# Altium PCB HMI_Board.PcbDoc (part 1 of 3)
Units mm, origin at the board's own origin, x right, y up, seen from the top; angles counter-clockwise.
Board outline 105 x 63 mm, 4 copper layers (L1, L2, L3, L4), stack 1.586 mm thick; 135 components, 123 nets, 623 pads, 296 vias.
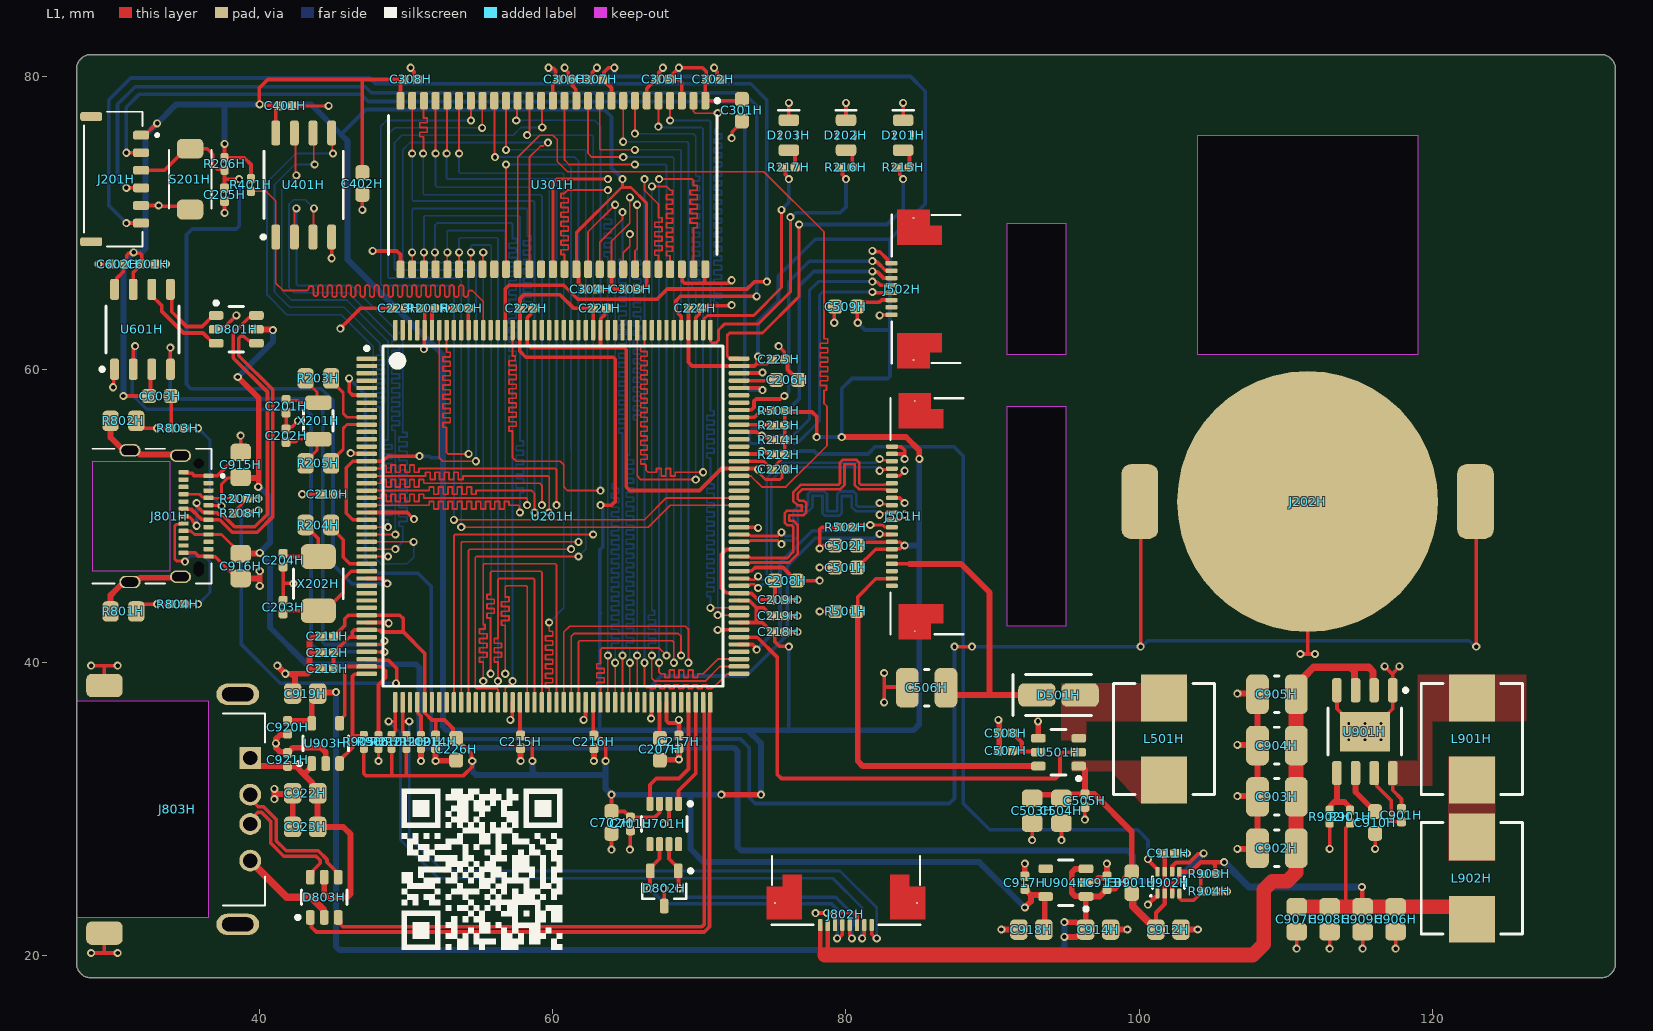
[diagram p0: L1 view]
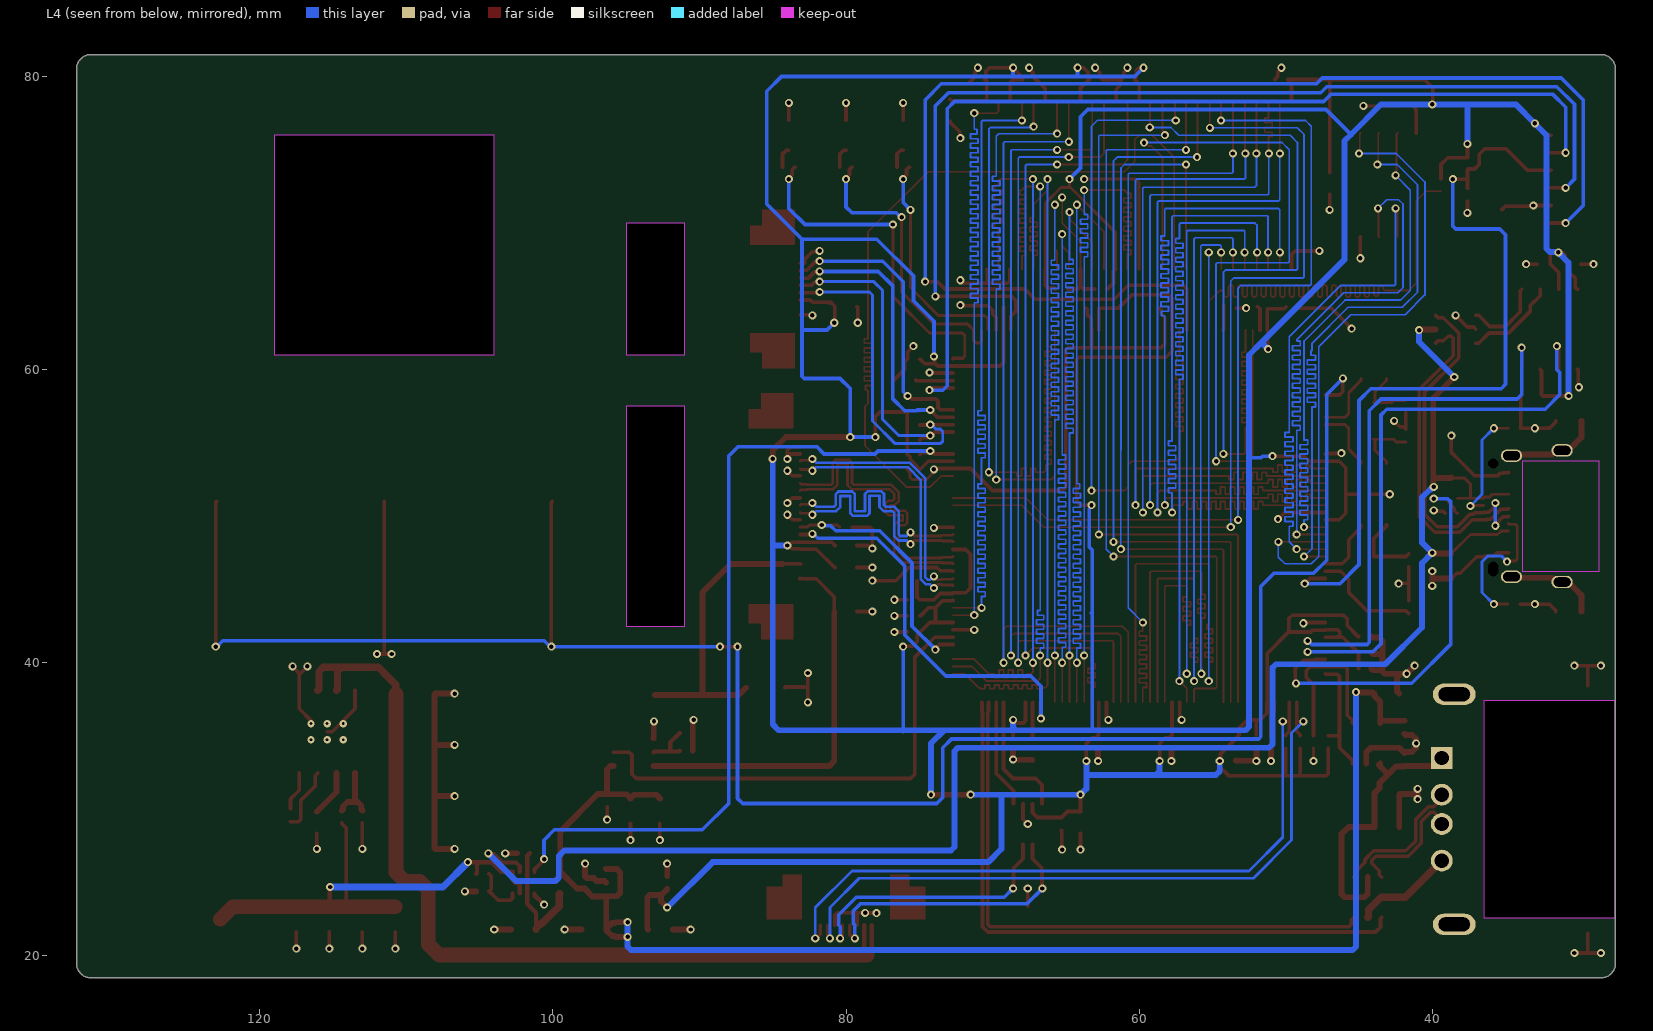
[diagram p1: L4 view, seen from below]
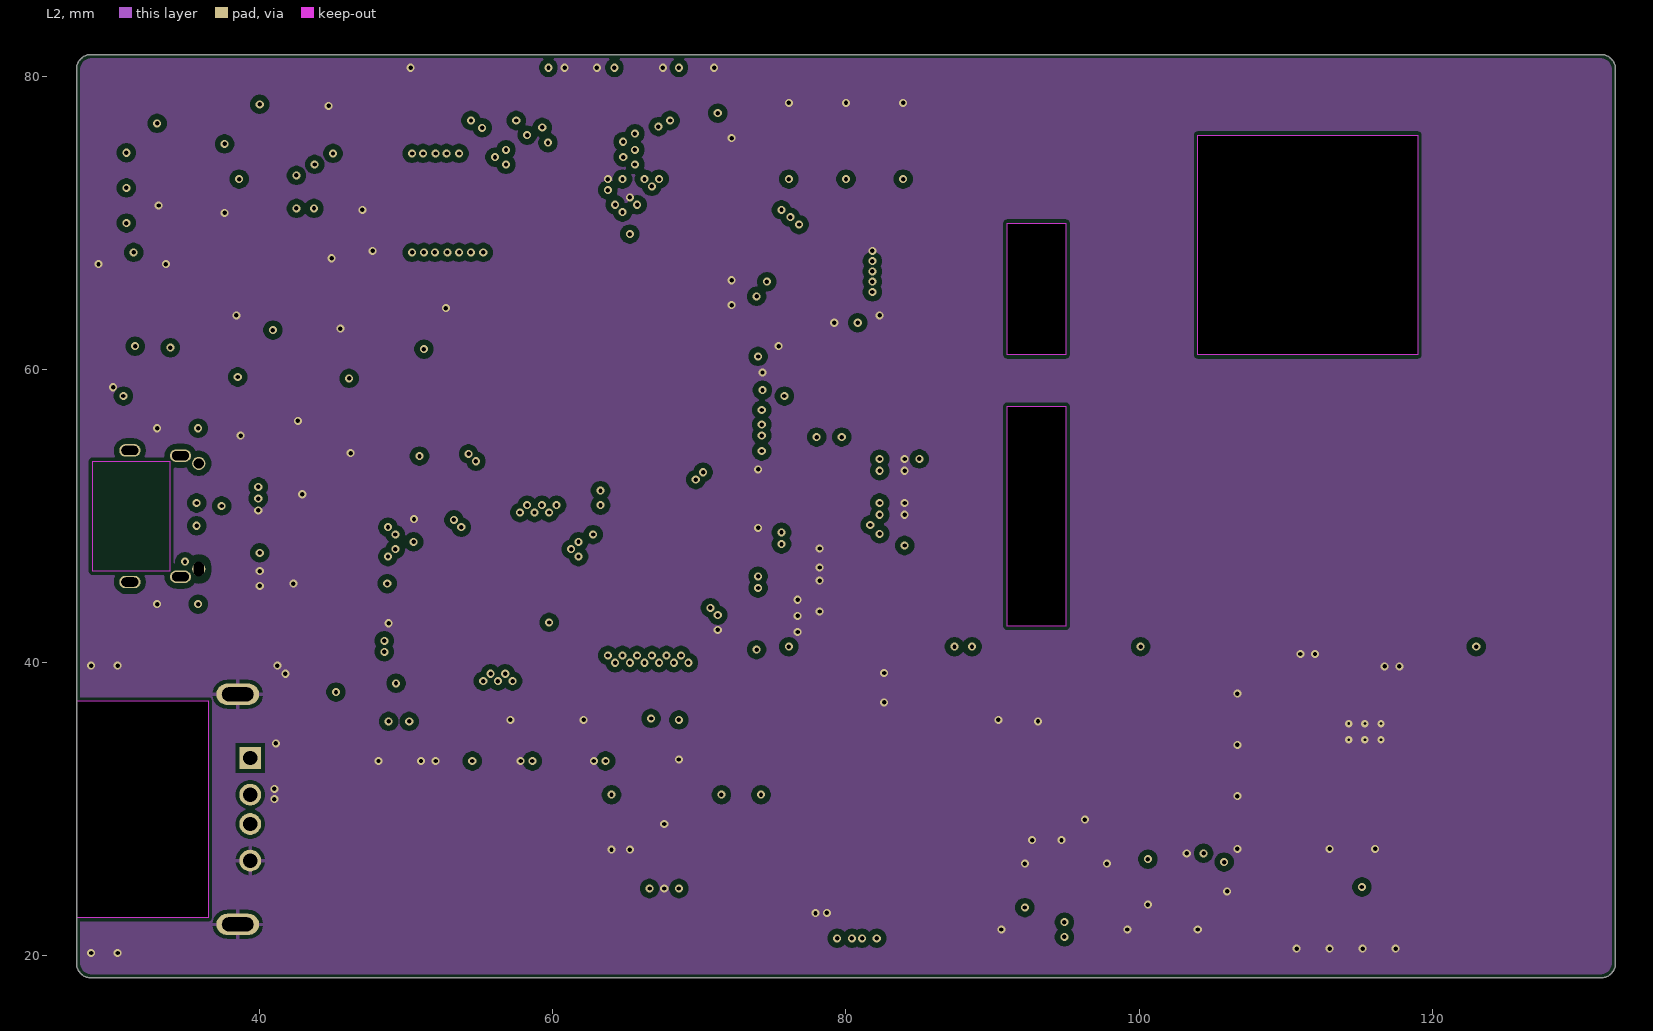
[diagram p2: L2]
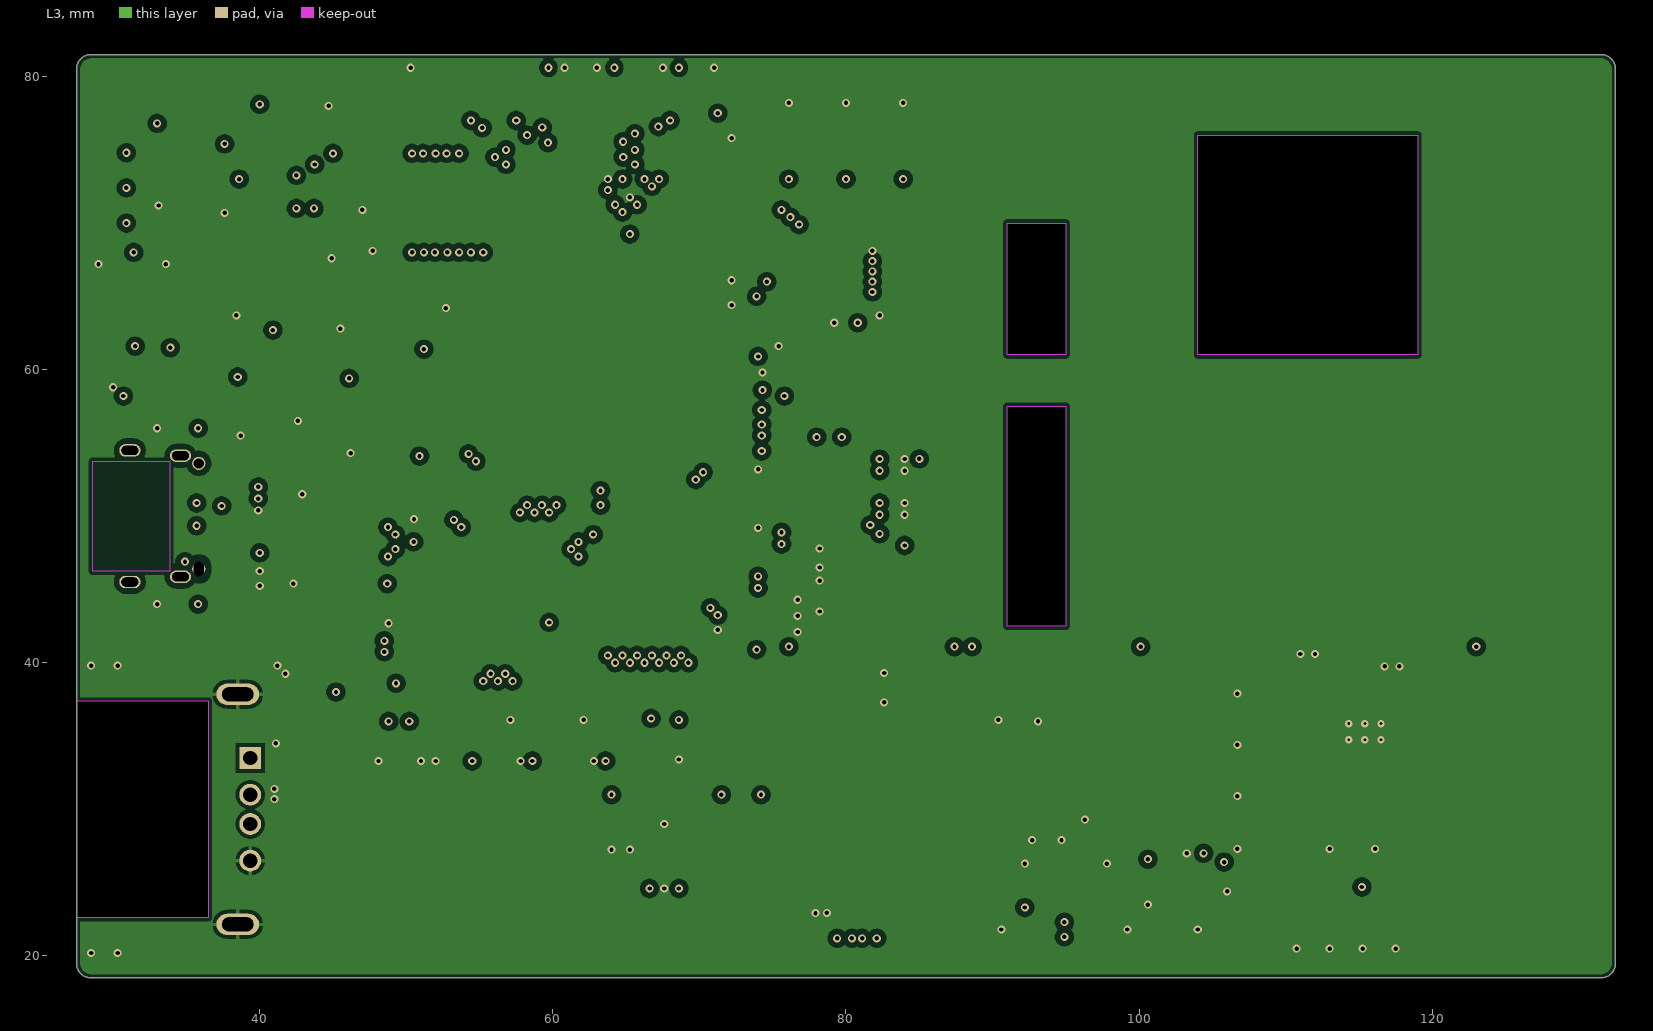
[diagram p3: L3]
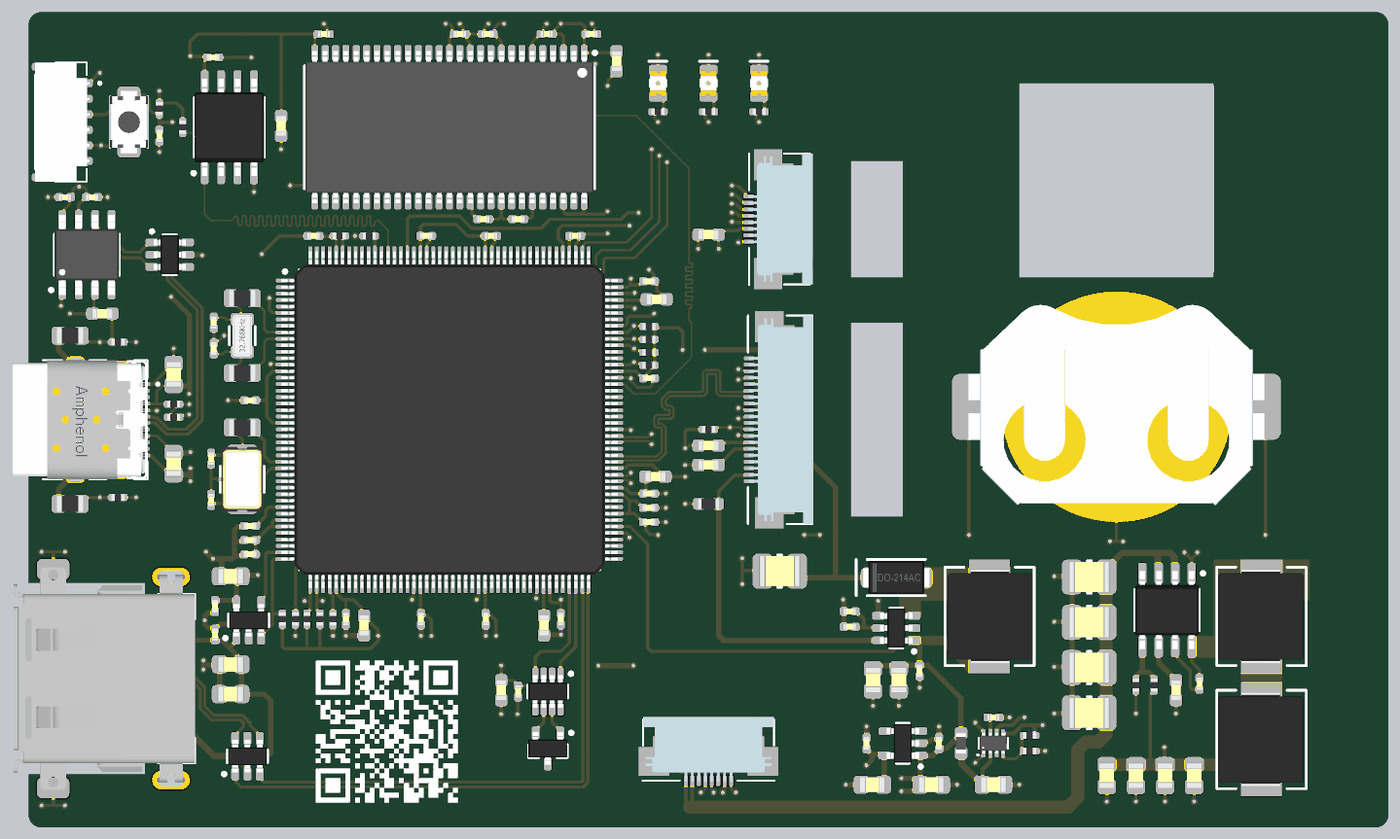
[diagram p6: 3D render of the assembled board from above, using the file's embedded part models]

## Layer stack, top to bottom
Top Solder: solder mask 0.0102, Solder Resist, Dk 3.5
L1: signal copper 0.035
Dielectric 2: prepreg 0.2104, PP-006, Dk 4.4
L2: signal copper 0.0152
Dielectric 1: core 1.065, Core-025, Dk 4.6
L3: signal copper 0.0152
Dielectric 3: prepreg 0.2104, PP-006, Dk 4.4
L4: signal copper 0.035
Bottom Solder: solder mask 0.0102, Solder Resist, Dk 3.5

## Board outline
27.5,19.5 27.5,80.5 cw(c28.5,80.5) 28.5,81.5 131.5,81.5 cw(c131.5,80.5) 132.5,80.5 132.5,19.5 cw(c131.5,19.5) 131.5,18.5 28.5,18.5 cw(c28.5,19.5)
cut-out: 104,61 104,76 119,76 119,61
cut-out: 27.5,37.4 36.5,37.4 36.5,22.6 27.5,22.6
cut-out: 91,57.5 95,57.5 95,42.5 91,42.5
cut-out: 91,70 95,70 95,61 91,61

## Design rules (kind name [scope] priority, off if disabled: settings)
BoardOutlineClearance [All] p1: gap=0.25 ignorepadtopadclearanceinfootprint=FALSE
Clearance [All] p1: gap=0.25 ignorepadtopadclearanceinfootprint=FALSE except(0.1: Arc-Arc Arc-Track Arc-Text Track-Track Track-Text; 0.15: Arc-SMDPad Arc-THPad Arc-Via Track-SMDPad Track-THPad Track-Via SMDPad-SMDPad SMDPad-THPad SMDPad-Via SMDPad-Text SMDPad-Hole THPad-THPad THPad-Via THPad-Text THPad-Hole Via-Via Via-Text Via-Hole Text-Text Text-Hole; 0.2: Arc-Hole Track-Hole; 0.5: Fill-Text Fill-Hole Poly-Text Poly-Hole Region-Text Region-Hole)
DiffPairsRouting USBH_Width [InDifferentialPair('USB_HS_D')] p1: maxlimit=0.127 minlimit=0.127 mostfreqgap=0.127 toplayer_minwidth=0.243 toplayer_maxwidth=0.243 toplayer_prefwidth=0.243 midlayer1_minwidth=0.154 midlayer1_maxwidth=0.154 midlayer1_prefwidth=0.154 midlayer2_minwidth=0.154 midlayer2_maxwidth=0.154 midlayer2_prefwidth=0.154 bottomlayer_minwidth=0.243 bottomlayer_maxwidth=0.243 bottomlayer_prefwidth=0.243 impedanceprofiledriven=TRUE impedanceprofileid={86093890-4C5B-4919-B75F-CE8423F383F2} impedanceprofilevalue=90.000000 maxuncoupledlength=12.7
DiffPairsRouting USBD_Width [InDifferentialPair('USBD_D')] p2: maxlimit=0.127 minlimit=0.127 mostfreqgap=0.127 toplayer_minwidth=0.243 toplayer_maxwidth=0.243 toplayer_prefwidth=0.243 midlayer1_minwidth=0.154 midlayer1_maxwidth=0.154 midlayer1_prefwidth=0.154 midlayer2_minwidth=0.154 midlayer2_maxwidth=0.154 midlayer2_prefwidth=0.154 bottomlayer_minwidth=0.243 bottomlayer_maxwidth=0.243 bottomlayer_prefwidth=0.243 impedanceprofiledriven=TRUE impedanceprofileid={86093890-4C5B-4919-B75F-CE8423F383F2} impedanceprofilevalue=90.000000 maxuncoupledlength=12.7
DiffPairsRouting DSI_CLK_Width [InDifferentialPair('DSI_CK')] p3: maxlimit=0.127 minlimit=0.127 mostfreqgap=0.127 toplayer_minwidth=0.18 toplayer_maxwidth=0.18 toplayer_prefwidth=0.18 midlayer1_minwidth=0.11 midlayer1_maxwidth=0.11 midlayer1_prefwidth=0.11 midlayer2_minwidth=0.11 midlayer2_maxwidth=0.11 midlayer2_prefwidth=0.11 bottomlayer_minwidth=0.18 bottomlayer_maxwidth=0.18 bottomlayer_prefwidth=0.18 impedanceprofiledriven=TRUE impedanceprofileid={680E41D6-1185-4859-B4B5-1952CEFED5F9} impedanceprofilevalue=100.000000 maxuncoupledlength=12.7
DiffPairsRouting DSI_D0_Width [InDifferentialPair('DSI_D0')] p4: maxlimit=0.127 minlimit=0.127 mostfreqgap=0.127 toplayer_minwidth=0.18 toplayer_maxwidth=0.18 toplayer_prefwidth=0.18 midlayer1_minwidth=0.11 midlayer1_maxwidth=0.11 midlayer1_prefwidth=0.11 midlayer2_minwidth=0.11 midlayer2_maxwidth=0.11 midlayer2_prefwidth=0.11 bottomlayer_minwidth=0.18 bottomlayer_maxwidth=0.18 bottomlayer_prefwidth=0.18 impedanceprofiledriven=TRUE impedanceprofileid={680E41D6-1185-4859-B4B5-1952CEFED5F9} impedanceprofilevalue=100.000000 maxuncoupledlength=12.7
DiffPairsRouting DSI_D1_Width [InDifferentialPair('DSI_D1')] p5: maxlimit=0.127 minlimit=0.127 mostfreqgap=0.127 toplayer_minwidth=0.18 toplayer_maxwidth=0.18 toplayer_prefwidth=0.18 midlayer1_minwidth=0.11 midlayer1_maxwidth=0.11 midlayer1_prefwidth=0.11 midlayer2_minwidth=0.11 midlayer2_maxwidth=0.11 midlayer2_prefwidth=0.11 bottomlayer_minwidth=0.18 bottomlayer_maxwidth=0.18 bottomlayer_prefwidth=0.18 impedanceprofiledriven=TRUE impedanceprofileid={680E41D6-1185-4859-B4B5-1952CEFED5F9} impedanceprofilevalue=100.000000 maxuncoupledlength=12.7
HoleSize [All] p1: absolutevalues=TRUE maxlimit=4 minlimit=0.03 maxpercent=80.000 minpercent=20.000
HoleToHoleClearance [All] p1: gap=0.2 allowstackedmicrovias=TRUE
MatchedLengths FMC_Length [InNet('FMC*')] p1: tolerance=6.35 checknetsindiffpair=FALSE checkdiffpairvsdiffpair=TRUE checkxsignals=TRUE checkothers=TRUE
MatchedLengths QSPI [InNet('FLASH*')] p2: tolerance=2.54 checknetsindiffpair=FALSE checkdiffpairvsdiffpair=TRUE checkxsignals=TRUE checkothers=TRUE
MatchedLengths DSI_CLK [InDifferentialPair('DSI_CK')] p3: tolerance=0.254 checknetsindiffpair=TRUE checkdiffpairvsdiffpair=FALSE checkxsignals=FALSE checkothers=FALSE
MatchedLengths DSI_D1 [InDifferentialPair('DSI_D1')] p4: tolerance=0.254 checknetsindiffpair=TRUE checkdiffpairvsdiffpair=FALSE checkxsignals=FALSE checkothers=FALSE
MatchedLengths DSI_D0 [InDifferentialPair('DSI_D0')] p5: tolerance=0.254 checknetsindiffpair=TRUE checkdiffpairvsdiffpair=FALSE checkxsignals=FALSE checkothers=FALSE
MatchedLengths DSI_Group [(IsDifferentialPair) AND (Name Like 'DSI*')] p6: tolerance=2.54 checknetsindiffpair=FALSE checkdiffpairvsdiffpair=TRUE checkxsignals=TRUE checkothers=TRUE
MinimumSolderMaskSliver [All] p1: minsoldermaskwidth=0.1
PlaneConnect [All] p1: planeconnectstyle=Direct reliefexpansion=0.508 reliefentries=4 reliefconductorwidth=0.254 reliefairgap=0.254
PolygonConnect [All] p1: thpad.connectstyle=Relief thpad.reliefconductorwidth=0.254 thpad.reliefentries=4 thpad.polygonreliefangle="90 Angle" thpad.airgapwidth=0.254 smdpad.connectstyle=Direct smdpad.reliefconductorwidth=0.254 smdpad.reliefentries=4 smdpad.polygonreliefangle="90 Angle" smdpad.airgapwidth=0.254 via.connectstyle=Direct via.reliefconductorwidth=0.254 via.reliefentries=4 via.polygonreliefangle="90 Angle" via.airgapwidth=0.254
RoutingVias [All] p1: holewidth=0.3 width=0.4 viastyle="Through Hole" minholewidth=0.3 minwidth=0.4 maxholewidth=1 maxwidth=2
SilkToSilkClearance [All] p1: silktosilkclearance=0.1
SilkToSolderMaskClearance [IsPad] p1: minsilkscreentomaskgap=0.1 clearancetoexposedcopper=TRUE
SolderMaskExpansion [All] p1: expansion=0.049 istentingtop=FALSE
SupplyNets "Schematic Supply Nets_14" [InNet('USBD_VBUS')] p1: voltage=0.000
SupplyNets "Schematic Supply Nets_13" [InNet('VBAT')] p2: voltage=0.000
SupplyNets "Schematic Supply Nets_12" [InNet('USBH_VBUS')] p3: voltage=0.000
SupplyNets "Schematic Supply Nets_10" [InNet('3.3V')] p4: voltage=0.000
SupplyNets "Schematic Supply Nets_9" [InNet('HVIN')] p5: voltage=0.000
SupplyNets "Schematic Supply Nets_8" [InNet('5V')] p6: voltage=0.000
SupplyNets "Schematic Supply Nets_7" [InNet('GND')] p7: voltage=0.000
SupplyNets "Schematic Supply Nets_6" [InNet('VBAT')] p8: voltage=0.000
SupplyNets "Schematic Supply Nets_5" [InNet('HVIN')] p9: voltage=0.000
SupplyNets "Schematic Supply Nets_4" [InNet('GND')] p10: voltage=0.000
SupplyNets "Schematic Supply Nets_3" [InNet('USBD_VBUS')] p11: voltage=0.000
SupplyNets "Schematic Supply Nets_2" [InNet('3.3V')] p12: voltage=0.000
SupplyNets "Schematic Supply Nets_1" [InNet('USBH_VBUS')] p13: voltage=0.000
SupplyNets "Schematic Supply Nets" [InNet('5V')] p14: voltage=0.000
Width [All] p1: maxlimit=2 minlimit=0.1 preferedwidth=0.2 minimp=50.000000 maximp=50.000000 favimp=50.000000
23 further rules are at their usual default settings.

## Classes and differential pairs
net class FMC_D[0..15]: FMC_D0 FMC_D1 FMC_D2 FMC_D3 FMC_D4 FMC_D5 FMC_D6 FMC_D7 FMC_D8 FMC_D9 FMC_D10 FMC_D11 FMC_D12 FMC_D13 FMC_D14 FMC_D15
net class FMC_BA[0..1]: FMC_BA0 FMC_BA1
net class FMC_A[0..11]: FMC_A0 FMC_A1 FMC_A2 FMC_A3 FMC_A4 FMC_A5 FMC_A6 FMC_A7 FMC_A8 FMC_A9 FMC_A10 FMC_A11
net class FLASH_D[0..3]: FLASH_D0 FLASH_D1 FLASH_D2 FLASH_D3
component class "UART to USB Bridge": C601H C602H C603H U601H
component class SDRAM: C301H C302H C303H C304H C305H C306H C307H C308H U301H
component class "QSPI Flash": C401H C402H R401H U401H
component class "Power Supply": C901H C902H C903H C904H C905H C906H C907H C908H C909H C910H C911H C912H C913H C914H C915H C916H C917H C918H C919H C920H C921H C922H C923H FB901H L901H L902H R901H R902H R903H R904H R905H R906H U901H U902H U903H U904H
component class "Off Board Connectors": D801H D802H D803H J801H J802H J803H R801H R802H R803H R804H
component class "LCD and Touchscreen": C501H C502H C503H C504H C505H C506H C507H C508H C509H D501H J501H J502H L501H R501H R502H R503H U501H
component class HMI_MCU: C201H C202H C203H C204H C205H C206H C207H C208H C209H C210H C211H C212H C213H C214H C215H C216H C217H C218H C219H C220H C221H C222H C223H C224H C225H C226H D201H D202H D203H J201H J202H R201H R202H R203H R204H R205H R206H R207H R208H R209H R210H R211H R212H R213H R214H R215H R216H R217H S201H U201H X201H X202H
component class "CAN Interface": C701H C702H U701H
differential pair USBH_D: +USBH_D_P -USBH_D_N
differential pair USBD_D: +USBD_D_P -USBD_D_N
differential pair USB_HS_D: +USB_HS_D_P -USB_HS_D_N
differential pair UART_USB_D: +UART_USB_D_P -UART_USB_D_N
differential pair DSI_D1: +DSI_D1_P -DSI_D1_N
differential pair DSI_D0: +DSI_D0_P -DSI_D0_N
differential pair DSI_CK: +DSI_CK_P -DSI_CK_N
differential pair CAN_CN: +CAN_CN_P -CAN_CN_N
